# Allegro board RK_EVB7_RK3588_LP4XD200P232SD8_V11_20230111YWQ.brd (continued)
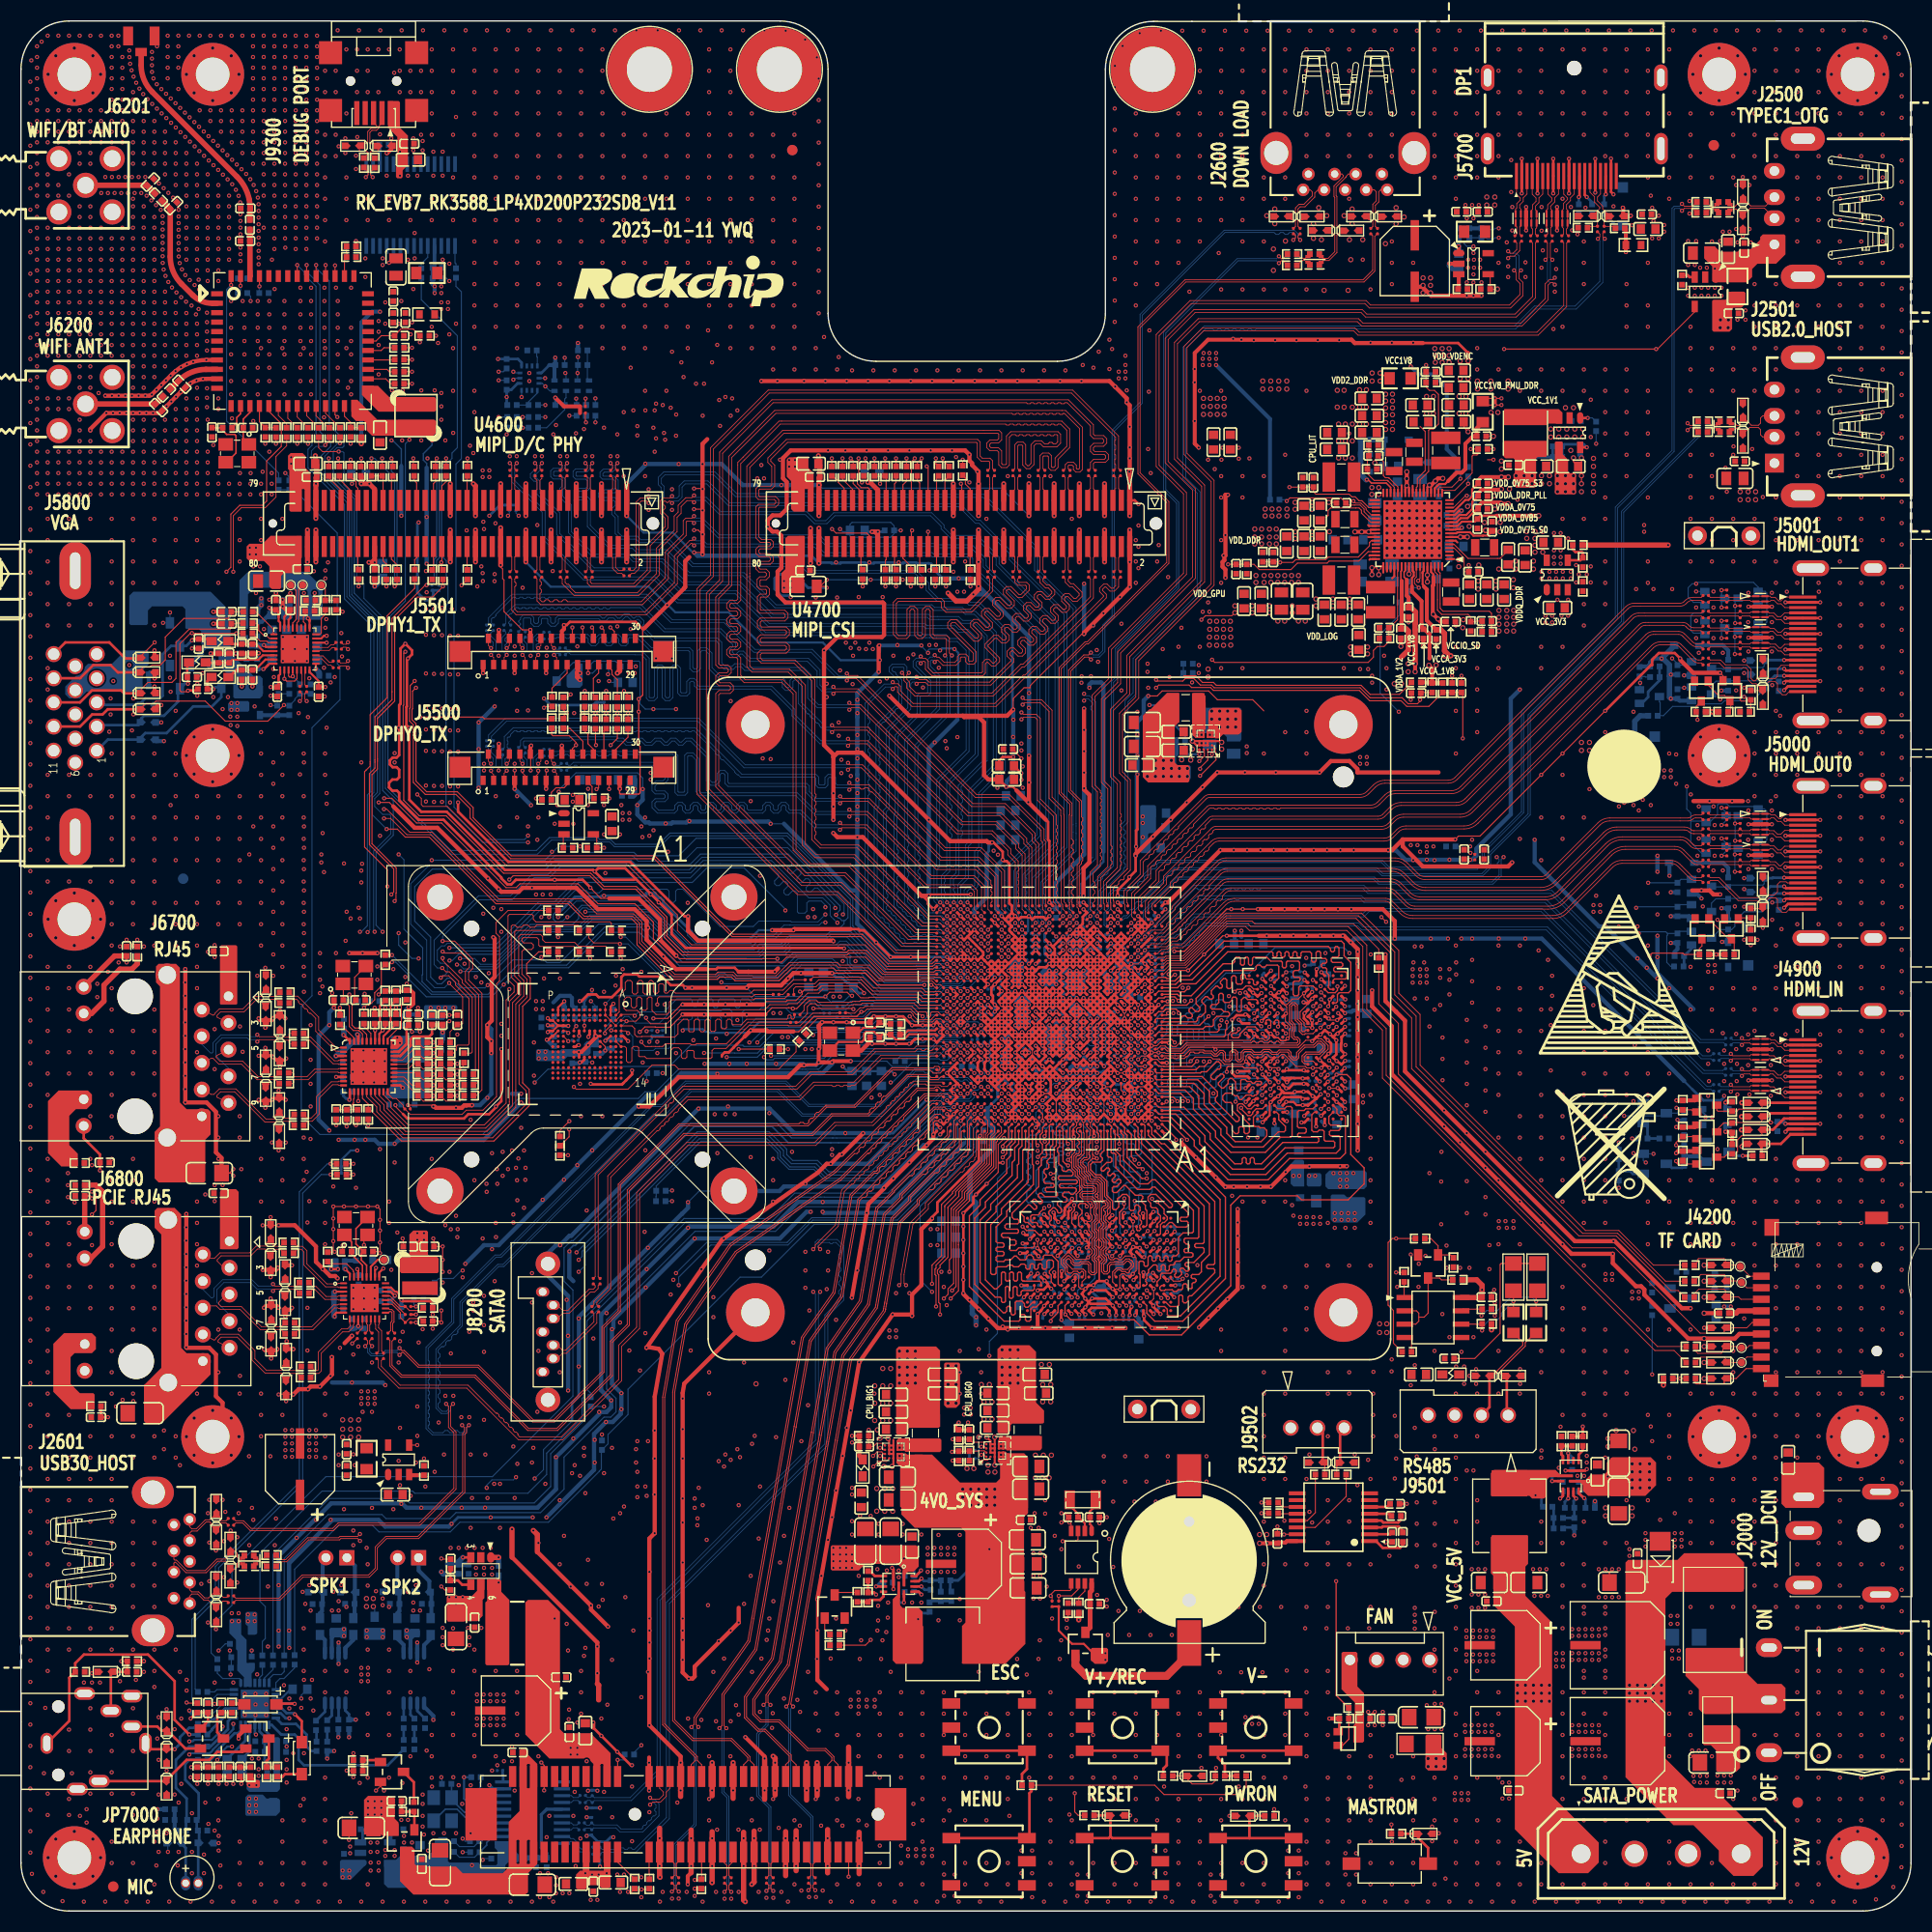
[diagram p0: board, top side]
## Routing (per net, layer and track width the routed paths; a pad name or vN(x,y) marks a point on that pad's centre or on a via; arc(x,y) is an arc through that point) (continued)
; v1(93.39,83.7) U1000.R25 ; v1(93.39,83.7) 93.44,83.65 ; 102.82,77.53 v1(102.49,77.2) 102.17,77.53 U1000.F11 ; v1(102.49,88.9) 102.82,89.23 U1000.AD10 ; v1(102.49,88.9) U1000.AC11 ; U3801.AB10 v1(95.52,58.45) ; U1000.AF16 99.24,90.2 ; U1000.AF16 v1(98.59,90.2) ; U1000.AF16 98.61,90.84 ; 99.24,90.2 U1000.AE16 ; 99.24,90.2 U1000.AE15 ; v1(95.34,90.85) 95.02,90.53 U1000.AF22 94.7,90.85 94.68,90.85 ; v1(95.34,90.85) U1000.AG21 v1(95.34,91.5) ; v1(95.34,90.85) U1000.AG22 ; v1(95.34,90.85) U1000.AF21 ; U1000.T26 v1(92.74,84.35) v1(93.39,85) ; U1000.T26 v1(92.09,83.7) ; U1000.T26 U1000.R25 ; 94.69,92.16 U1000.AH22 ; 94.69,92.16 94.37,91.84 U1000.AH23 94.68,91.52 ; U1000.AH22 95.02,91.83 v1(95.34,91.5) ; U1000.AH22 v1(95.34,92.15) ; U1000.AH22 94.71,91.52 94.68,91.52 ; v1(99.24,77.85) U1000.G15 ; v1(99.24,77.85) 98.92,77.53 U1000.F16 ; v1(99.24,77.85) U1000.F15 ; U1000.G15 99.57,78.18 v1(99.89,77.85) ; U1000.AB29 v1(90.79,87.6) ; U1000.AE9 103.47,89.88 v1(102.49,90.85) ; 94.69,77.2 94.7,77.2 U1000.E22 ; 94.69,77.2 U1000.E23 94.68,76.56 94.7,76.56 ; 94.69,77.2 U1000.F22 ; v1(101.84,75.9) U1000.C11 ; v1(101.84,75.9) 101.52,75.58 ; v1(95.99,77.2) 96.32,76.88 ; v1(86.77,65.95) 86.77,66.08 87.27,66.59 87.27,67.48 91.22,71.43 91.22,73.67 91.34,73.78 v1(91.34,73.83) ; v1(95.34,91.5) U1000.AH21 v1(95.34,92.15) ; v1(95.34,91.5) 95.02,91.18 U1000.AG22 ; U1000.AM4 107.04,94.1 ; U1000.AM4 v1(106.39,94.1) ; U1000.AM4 v1(106.39,94.75) ; 107.04,94.1 106.72,93.78 U1000.AL4 ; 106.39,93.45 U1000.AL5 106.07,93.78 v1(106.39,94.1) ; 106.39,93.45 U1000.AL4 ; U1000.F15 v1(99.89,77.85) ; U1000.F15 v1(99.24,77.2) ; U1000.AL4 v1(106.39,94.1) ; U1000.J24 93.39,79.15 ; U1000.AB20 v1(95.99,87.6) ; U1000.AB20 96.32,87.93 v1(96.64,87.6) ; U1000.AB20 v1(95.99,88.25) ; v1(95.99,87.6) U1000.AA20 ; U1000.AB19 96.97,87.93 v1(97.29,87.6) ; U1000.AB19 v1(96.64,87.6) ; U1000.U24 v1(93.39,85) ; U1000.G3 107.04,78.5 U1000.H3 ; U1000.G3 107.69,78.5 U1000.H3 ; U1000.G3 v1(107.69,77.85) U1000.F3 v1(107.69,77.2) 107.37,76.88 U1000.E3 ; 91.45,90.85 U1000.AF27 91.77,90.53 92.09,90.2 ; 91.45,90.85 91.43,90.85 U1000.AF28 v1(90.79,90.85) 90.47,90.53 ; U1000.C11 v1(101.84,75.25) 101.52,75.58 ; U3800.D4 v1(119.83,86.82) U3800.E5 ; U3800.D4 v1(119.02,87.42) ; v1(101.37,59.25) 101.36,59.24 ; v1(101.37,59.25) U3801.N9 102.11,59.58 v1(102.13,59.61) 102.14,59.61 102.51,59.98 v1(103.4,59.98) 103.4,59.82 U3801.K9 v1(103.97,59.25) 104.3,58.93 U3801.J10 ; 79.02,93.51 79.76,93.51 79.88,93.39 80.29,93.39 v1(81.44,92.24) v1(82.83,90.85) v1(84.73,90.85) v1(86.39,90.85) ; U3800.G5 v1(120.46,85.47) ; 106.39,78.5 106.07,78.18 ; 106.07,78.18 v1(106.07,78.31) ; 106.07,78.18 105.74,78.5 ; 106.07,78.18 v1(106.39,77.85) ; v1(114.83,92.88) 117.88,92.88 ; v1(102.49,93.45) 102.82,93.13 U1000.AK10 U1000.AJ9 v1(103.79,92.8) U1000.AJ8 ; v1(102.49,93.45) U1000.AL11 101.84,93.45 ; v1(102.49,93.45) 102.17,93.13 ; 105.43,84.69 v1(105.74,85) U1000.V5 ; 105.43,84.69 105.4,84.69 ; U1000.W19 v1(97.29,86.3) ; U1000.W19 v1(97.29,85.65) ; v1(97.29,86.3) U1000.W18 ; U3801.T10 v1(100.08,58.44) ; C7017.2 v1(16.79,12.11) ; 93.36,86.92 U1000.AA24 ; 93.36,86.92 93.43,86.92 U1000.Y24 ; 93.36,86.92 93.12,86.68 93.12,86.58 v1(93.39,86.3) ; U1000.AA24 v1(94.04,87.6) ; U1000.AA24 U1000.Y23 ; U1000.AE24 93.39,89.55 ; U1000.AE24 94.09,90.25 ; U1000.AE24 v1(93.39,90.2) ; 93.39,89.55 U1000.AD24 v1(94.04,88.9) U1000.AC24 ; 93.39,89.55 92.74,90.2 ; U1000.K9 103.14,79.8 ; U1000.K9 v1(103.79,79.8) ; U1000.AC3 v1(107.04,88.9) 106.72,88.58 U1000.AC4 ; v1(97.94,86.3) 98.27,86.63 U1000.Y17 ; v1(97.94,86.3) U1000.W18 ; v1(97.94,86.3) U1000.W17 v1(98.59,86.3) ; v1(96.82,59.1) 96.9,59.17 97.39,59.17 U3801.W9 ; 94.71,86.97 U1000.Y23 ; 94.71,86.97 94.67,86.97 U1000.AA23 ; 94.71,86.97 U1000.AA22 ; U1000.Y23 v1(94.04,86.3) ; 101.84,85.65 U1000.V11 102.17,85.33 102.82,85.98 ; 101.84,85.65 102.17,85.98 U1000.W11 101.52,86.63 U1000.Y12 ; 101.84,85.65 U1000.W12 ; v1(53.21,86.65) 53.37,86.65 54,87.29 54.76,87.29 55.02,87.04 56.29,87.04 57.18,87.92 57.18,88.94 57.43,89.19 58.69,89.19 58.89,89 61.06,89 61.87,88.18 63.03,88.18 v1(63.28,87.92) ; 104.1,91.17 104.13,91.17 104.44,90.85 ; 104.1,91.17 105.12,92.18 ; 94.68,91.52 U1000.AG22 ; U1000.F16 v1(99.24,77.2) ; 101.84,92.8 U1000.AJ12 ; 101.84,92.8 U1000.AK11 101.84,93.45 ; 101.84,92.8 101.52,93.13 U1000.AK12 ; U1000.AJ12 v1(101.19,92.8) ; U1000.AC4 v1(106.39,88.25) ; v1(106.39,88.25) U1000.AB5 ; U1000.AH4 107.37,92.48 U1000.AJ3 107.37,92.48 v1(107.69,92.8) ; U1000.Y16 v1(98.59,86.95) ; U1000.Y16 U1000.W15 ; U1000.Y16 98.92,86.63 v1(99.24,86.95) ; U1000.Y16 v1(98.59,86.3) ; v1(98.59,86.95) U1000.AA16 ; v1(98.59,86.95) U1000.Y17 ; U1000.T20 96.64,83.7 ; U1000.N20 95.99,82.4 ; C1101.2 78.66,84.62 v1(78.64,84.64) v1(77.37,84.64) v1(76.3,84.64) ; v1(108.45,63.16) 108.45,63.03 U3801.C5 ; v1(121.95,75.1) 122.24,75.1 U3800.AB8 ; v1(101.19,84.35) U1000.T13 100.87,84.03 v1(101.19,83.7) U1000.R13 100.87,83.38 v1(101.19,83.05) ; v1(101.19,84.35) U1000.U12 101.52,84.68 v1(101.19,85) U1000.U13 v1(101.19,84.35) ; v1(103.14,85) 103.15,85 103.47,84.69 ; v1(103.14,85) U1000.V10 ; v1(103.14,85) v1(102.49,84.35) U1000.T11 102.17,84.03 v1(102.49,83.7) U1000.R11 102.17,83.38 v1(102.49,83.05) U1000.P11 102.17,82.73 v1(102.49,82.4) U1000.N11 v1(102.49,81.75) 102.17,81.43 U1000.M11 ; v1(99.89,75.9) 99.57,75.58 U1000.C15 ; v1(99.89,75.9) U1000.C14 ; U1000.W15 99.92,86.33 ; U1000.V10 103.14,85.65 ; U1000.V10 102.17,85.98 102.49,86.3 ; U1000.J16 98.59,79.81 ; U1000.J16 98.92,79.48 v1(98.59,79.15) 98.26,79.48 ; 98.59,79.81 98.32,80.08 98.32,80.18 ; 98.59,79.81 98.26,79.48 ; v1(107.04,79.15) U1000.J3 ; v1(107.04,79.15) U1000.H3 ; U1000.J3 107.37,79.48 ; U1000.J3 107.37,79.48 v1(107.69,79.15) U1000.H3 ; U1000.AF7 105.07,90.83 ; U1000.AF7 104.44,90.85 ; U1000.AF7 105.07,90.23 105.07,90.23 ; v1(92.74,81.1) U1000.L26 92.74,80.45 ; v1(92.74,81.1) U1000.L25 93.07,80.78 92.74,80.45 ; U1000.C13 100.87,75.58 v1(101.19,75.25) U1000.C12 101.52,75.58 ; U1000.C13 v1(100.54,75.25) 100.22,75.58 ; U1000.C13 v1(100.54,75.9) 100.22,75.58 ; U1000.C15 v1(99.24,75.25) U1000.C16 ; U1000.C15 99.57,75.58 v1(99.89,75.25) U1000.C14 ; U3801.A3 109.55,64.38 v1(109.87,64.7) ; 95.34,79.15 U1000.H22 ; U1000.AB16 99.24,87.6 98.92,87.28 U1000.AA16 ; U1000.AB16 U1000.AA17 ; v1(88.19,75.9) U1000.C32 ; U1000.C32 v1(88.19,75.25) U1000.B33 v1(87.54,75.25) ; U1000.J10 102.82,79.48 v1(102.49,79.15) ; U1000.J10 103.14,79.8 ; v1(94.04,87.6) U1000.AA23 ; v1(94.04,87.6) U1000.AB24 ; U1000.AA23 v1(94.69,87.6) U1000.AA22 ; U1000.AA23 U1000.Y24 ; 97.94,79.8 U1000.J18 ; 97.94,79.8 U1000.K18 ; 97.94,79.8 98.26,79.48 ; 97.94,79.8 98.32,80.18 ; v1(149.93,163.66) J5700.16 v1(149.93,166.88) ; U1000.B27 91.77,74.93 v1(91.44,75.25) U1000.C28 v1(90.79,75.25) ; U3800.V1 v1(117.29,78.35) ; v1(96.64,77.2) 96.32,76.88 ; 96.32,76.88 U1000.E20 ; U1000.W24 v1(93.39,86.3) ; U1000.W24 v1(94.04,86.3) ; U1000.W24 94.04,85.65 ; U1000.W24 v1(93.39,85.65) ; v1(93.39,86.3) U1000.Y24 ; 102.49,86.3 102.17,86.63 U1000.Y11 ; 102.49,86.3 U1000.W10 ; 102.49,86.3 U1000.Y10 ; U1000.AE16 98.58,90.21 ; 98.58,90.21 98.27,90.52 ; v1(147.43,166.88) J5700.11 v1(147.43,163.58) ; v1(100.54,90.2) U1000.AF14 ; v1(100.54,90.2) U1000.AF13 ; U1000.N22 95.34,82.4 ; U1000.N22 v1(94.69,81.75) U1000.M22 ; U1000.N22 94.69,82.4 U1000.P22 ; 95.34,82.4 U1000.P22 ; v1(99.95,66.87) 99.95,66.82 99.75,66.62 U3801.T1 ; v1(97.28,84.35) 97.3,84.35 97.62,84.03 U1000.T18 U1000.R19 ; 96.64,89.55 U1000.AE20 96.32,89.88 v1(95.99,89.55) ; U3801.T5 v1(100.12,63.15) ; 101.83,88.26 102.15,88.58 U1000.AC11 ; U1000.J20 96.32,79.48 96.65,79.14 ; U1000.J20 96.02,79.78 ; v1(107.04,83.05) U1000.R3 ; U1000.R3 107.37,83.38 v1(107.69,83.7) 107.37,84.03 U1000.T3 107.37,84.03 v1(107.69,84.35) 107.37,84.68 U1000.U3 ; v1(101.84,90.2) 101.84,90.22 101.53,90.53 ; v1(101.84,90.2) 101.86,90.19 101.87,90.19 ; v1(103.79,83.7) U1000.T9 103.8,84.36 ; v1(103.79,83.7) U1000.R8 ; v1(103.79,83.7) 103.47,83.38 U1000.R9 v1(103.79,83.05) ; v1(102.49,87.6) U1000.AA11 ; 107.37,79.48 v1(107.04,79.8) ; U1000.AE7 104.77,89.88 v1(104.44,89.55) 104.12,89.23 U1000.AD8 104.13,89.23 104.42,88.94 104.42,88.88 U1000.AC8 104.44,88.25 v1(104.44,88.25) ; U1000.AE7 105.07,90.18 105.07,90.23 ; v1(101.84,79.15) U1000.J11 102.17,79.48 v1(102.49,79.15) ; v1(101.84,79.15) U1000.H12 ; U1000.E22 94.7,76.56 ; U1000.E22 v1(95.34,76.55) ; U1000.AG22 94.68,90.85 ; U1000.C3 107.37,75.58 v1(107.69,75.25) ; 92.74,80.45 92.99,80.21 92.99,80.21 ; 92.74,80.45 U1000.K26 v1(92.74,79.8) ; 100.8,93.2 v1(100.54,93.45) ; 100.8,93.2 v1(101.19,92.8) ; v1(100.54,93.45) U1000.AK14 ; v1(100.54,93.45) U1000.AL13 ; U1000.AG10 103.15,90.85 ; U1000.AG10 102.82,91.16 102.51,90.85 v1(102.49,90.85) ; v1(98.33,66.52) 98.43,66.42 98.43,65.99 U3801.V1 98.78,65.63 v1(98.78,65.62) ; U1000.AC24 93.72,88.58 93.39,88.25 U1000.AB24 ; U1000.AC24 v1(94.04,88.25) U1000.AB24 ; 96.02,79.78 U1000.K21 ; U1000.C17 98.58,75.27 98.61,75.27 U1000.C16 ; U1000.C17 98.27,75.58 98.59,75.9 U1000.C16 ; 103.12,86.93 U1000.Y10 ; U1000.Y10 102.17,87.28 U1000.AA11 ; U4700.1 106.07,134.35 v1(106.43,133.99) ; U1000.Y11 102.17,86.63 v1(101.84,86.95) ; U1000.Y11 102.82,87.28 ; U1000.Y11 U1000.W12 ; U1000.P22 v1(94.69,83.05) ; U3801.D11 107.84,57.69 v1(107.84,57.64) 107.84,57.54 U3801.C12 v1(108.52,56.85) ; 98.32,80.18 97.99,80.51 U1000.K18 ; U3801.P1 101.05,65.94 v1(101.39,65.59) 101.7,65.29 U3801.N2 ; v1(82.96,32.68) 82.96,32.68 83.09,32.54 U2000.2 v1(83.09,30.66) ; 103.47,84.69 103.8,84.36 ; 103.47,84.69 104.11,85.33 U1000.V8 ; v1(118.97,80.2) U3800.P3 v1(119,80.91) U3800.N4 ; U3801.T12 v1(100.05,56.88) ; 105.74,87.6 105.74,87.61 U1000.AB6 105.75,88.26 ; 105.74,87.6 U1000.AB5 ; 105.74,87.6 U1000.AA6 ; 98.27,90.52 v1(97.94,90.85) ; v1(97.94,90.85) U1000.AG18 ; v1(97.94,90.85) 98.32,91.23 98.45,91.23 ; C7016.2 20.98,12.67 v1(20.98,12.11) ; U1000.AM8 v1(103.79,94.75) U1000.AM9 ; U1000.AF14 U1000.AE15 ; U1000.AF14 v1(100.54,90.85) U1000.AF13 ; v1(105.91,65.67) U3801.G1 ; v1(168.05,103.91) J5000.2 v1(171.35,103.91) ; U1000.AB5 105.75,88.25 105.75,88.26 ; v1(171.35,99.41) J5000.11 v1(168.05,99.41) ; 105.8,86.89 105.68,86.89 U1000.Y6 ; 105.8,86.89 U1000.Y5 ; 105.8,86.89 U1000.AA6 ; U3800.P10 v1(123.7,81.02) 123.63,81.02 U3800.N9 ; U3800.P10 v1(123.83,80.29) ; U3800.P10 v1(124.61,80.3) ; U1000.K6 105.42,80.13 ; U1000.K6 105.42,80.13 ; 105.42,80.13 v1(105.74,80.45) U1000.L6 v1(105.09,81.1) 105.42,81.43 U1000.M6 v1(105.74,81.75) U1000.N6 105.42,82.08 v1(105.74,82.4) U1000.P6 ; U3801.W9 97.8,59.73 v1(97.49,60.04) U3801.Y8 ; U3801.W9 97.8,59.58 v1(98.11,59.26) ; U1000.AA8 103.83,86.99 ; U1000.AA8 104.12,87.28 v1(104.44,87.6) ; 95.34,80.45 U1000.L21 ; 95.34,80.45 U1000.K21 ; 95.34,80.45 U1000.L22 ; U1000.L21 v1(95.99,80.45) ; U1000.L21 95.34,81.1 ; v1(98.71,63.15) 98.7,63.15 98.45,62.89 U3801.V5 ; U1000.AC27 v1(92.09,88.9) U1000.AD26 ; U1000.AC27 v1(91.44,88.9) ; U1000.AC27 v1(92.09,88.25) U1000.AB27 ; U1000.V24 v1(93.39,85) ; U1000.V24 v1(93.39,85.65) ; U1000.V24 94.04,85.65 ; v1(93.39,85) U1000.V25 ; v1(78.38,91.67) 78.34,91.71 63.29,91.71 61.97,93.04 61.97,94.88 58.51,98.34 ; 92.09,90.2 92.35,90.46 92.48,90.46 92.74,90.2 ; v1(109.11,80.78) U1000.L1 ; U1000.R25 U1000.P26 92.42,82.73 v1(92.74,82.4) ; v1(107.69,90.85) U1000.AG3 U1000.AF4 106.72,90.53 v1(107.04,90.2) U1000.AE3 v1(107.04,89.55) ; U1000.AA18 97.62,87.28 v1(97.94,86.95) ; U1000.AA18 v1(97.29,87.6) ; U1000.AA18 97.94,87.6 ; v1(150.88,114.3) 155.23,118.66 155.35,118.66 155.35,119.17 155.98,119.8 157.51,119.8 v1(158.01,119.29) 158.01,119.17 ; v1(98.07,63.92) 98.07,63.85 U3801.W4 ; v1(54.64,99) 54.49,99.15 46.08,99.15 40.54,104.69 38.13,104.69 36.98,105.83 v1(36.98,112.69) 36.95,112.69 36.7,112.94 36.7,114.66 36.76,114.72 36.76,119.2 v1(36.86,119.29) 37.24,119.67 37.24,120.06 v1(36.6,120.69) 36.15,120.23 36.15,114.98 36.02,114.85 36.02,110.09 35.77,109.84 35.4,109.84 35.13,109.58 35.13,109.2 35.4,108.93 35.77,108.93 36.02,108.69 36.02,107.97 35.81,107.76 35.37,107.76 35.06,107.45 35.06,107.01 35.37,106.7 35.81,106.7 36.02,106.49 36.02,105.78 37.87,103.93 40.24,103.93 45.75,98.42 45.75,98.35 46.32,97.77 46.7,97.77 47.13,98.21 v1(50.83,98.21) 53.49,98.21 54.25,97.45 v1(54.22,97.45) ; v1(54.64,99) 55.43,98.21 58.38,98.21 58.51,98.34 ; v1(54.64,99) 54.66,99 54.96,99.3 57.54,99.3 58.51,98.34 ; U1000.V4 v1(106.39,85.65) U1000.V5 ; U1000.V4 v1(106.39,85) U1000.V5 ; U1000.V4 v1(107.04,85.65) ; U1000.V4 107.04,85.01 ; 102.82,85.98 103.14,85.65 ; U1000.V3 107.05,85.01 107.04,85.01 ; U1000.V3 107.59,85.1 107.59,84.91 U1000.U3 ; U1000.V3 v1(107.69,85.65) ; U1000.V3 v1(107.04,85.65) ; U1000.AL13 101.12,94.03 101.12,94.68 U1000.AN12 v1(101.19,95.4) ; 92.73,78.52 92.76,78.52 U1000.H25 ; 92.73,78.52 U1000.G25 ; 94.09,90.25 93.99,90.25 U1000.AF24 v1(93.39,90.2) ; 94.09,90.25 94.68,90.85 ; U1000.W18 v1(97.29,85.65) ; U1000.AF31 v1(88.84,90.85) 88.52,90.53 U1000.AF32 v1(88.19,90.85) ; v1(105.74,75.25) U1000.C6 105.42,75.58 ; U1000.C7 104.77,75.58 105.18,75.99 ; U1000.C7 105.09,75.25 ; U1000.AK14 v1(99.91,92.82) 99.57,92.48 U1000.AJ15 v1(99.24,92.8) U1000.AJ16 98.28,91.84 98.28,91.82 ; 104.47,92.83 U1000.AK7 105.1,92.8 ; 104.47,92.83 U1000.AJ8 ; 104.47,92.83 104.47,92.78 U1000.AJ7 ; U1000.AK28 91.12,93.13 v1(90.79,93.45) U1000.AK29 ; v1(125.44,85.5) 125.44,85.5 U3800.G12 v1(125.35,84.85) ; U1000.AK12 101.52,93.13 101.84,93.45 ; U1000.AK12 v1(101.19,92.8) ; v1(167.92,96.25) 168.08,96.41 J5000.17 171.35,96.41 v1(171.35,96.41) ; U1000.H25 93.39,79.15 ; v1(102.49,81.1) U1000.M11 ; U1000.M11 v1(101.84,81.1) ; U1000.M32 v1(88.19,81.75) U1000.N32 ; U1000.H12 v1(101.84,78.5) ; U1000.U3 107.37,84.68 107.04,85.01 ; 94.66,79.18 U1000.H22 ; U1000.P25 93.07,82.73 v1(93.39,82.4) U1000.N25 ; U1000.P25 v1(92.74,82.4) ; v1(97.29,87.6) U1000.AB18 97.94,87.6 ; U1000.K8 v1(104.44,79.8) ; U1000.K8 v1(103.79,79.8) ; 89.17,95.08 v1(89.49,94.75) 89.82,94.43 ; U1000.AF13 100.87,90.53 101.19,90.85 ; v1(89.49,90.85) U1000.AF30 89.82,90.53 v1(90.14,90.85) ; v1(89.49,90.85) 89.17,90.53 ; v1(171.35,79.47) J4900.8 v1(168.05,79.47) ; 105.18,75.99 105.18,75.81 105.42,75.58 ; 105.18,75.99 105.18,76.46 v1(105.09,76.55) 105.42,76.88 ; v1(50.07,82.98) 50.23,82.98 50.56,83.32 U4000.P6 ; v1(116.68,80.91) U3800.P1 ; 66.75,81.38 66.75,81.51 67.02,81.77 67.41,81.77 67.9,82.26 67.9,82.27 68.16,82.54 68.17,82.54 68.91,83.28 ; 97.3,85.01 U1000.V18 v1(97.29,85.65) ; U1000.AA6 105.07,86.93 105.37,86.63 U1000.Y6 ; U1000.N25 93.07,82.08 v1(92.74,82.4) ; v1(104.44,87.6) 104.77,87.92 U1000.AB7 104.45,88.25 v1(104.44,88.25) ; v1(104.44,87.6) 104.44,87.6 U1000.AB8 104.44,88.25 v1(104.44,88.25) ; U3801.V8 98.45,60.77 v1(98.4,60.82) ; U1000.AE21 v1(95.99,89.55) ; U1000.R19 96.64,83.7 ; U3801.E5 106.55,63.13 v1(106.55,63.15) 105.92,63.24 v1(105.92,63.24) 105.92,63.21 U3801.G5 105.95,62.43 v1(105.95,62.38) ; v1(97.94,86.95) U1000.AA17 ; v1(97.94,86.95) U1000.Y17 ; U3800.Y1 117.29,77.05 117.3,77.05 v1(117.37,77.13) 117.62,77.38 U3800.W2 ; U1000.AA20 v1(96.64,87.6) ; U3801.T3 99.36,64 v1(99.36,63.97) ; v1(54.04,83.25) 54.04,83.37 54.15,83.49 U4000.G5 ; v1(93.39,90.2) U1000.AF25 92.74,90.2 ; U1000.D24 v1(94.04,75.9) ; U1000.V8 103.79,85.65 ; U1000.C14 100.22,75.58 ; U3800.E12 v1(126.08,86.17) ; U1000.Y5 v1(106.39,86.3) ; v1(126.11,80.97) U3800.P12 v1(125.29,80.95) U3800.N11 125.27,81.58 v1(125.27,82.93) 125.26,82.98 U3800.K11 ; 98.61,90.84 98.45,91 98.45,91.23 ; U1000.L22 v1(94.69,81.1) 95.02,81.43 U1000.M22 ; U1000.L22 95.34,81.1 ; U3800.AB10 v1(124.17,74.84) ; v1(109.32,82.66) 109.25,82.73 108.67,82.73 U1000.P1 ; v1(105.09,77.2) 105.42,76.88 ; v1(105.09,77.2) 104.77,77.53 U1000.F7 ; v1(94.04,86.3) 94.37,85.98 U1000.W23 94.04,85.65 ; v1(94.04,86.3) U1000.Y24 ; v1(90.14,81.1) 90.47,81.43 U1000.M29 90.47,81.43 v1(90.79,81.75) 90.47,82.08 U1000.N29 ; v1(124.55,84.99) 124.43,84.99 124.24,85.18 U3800.G10 ; U3801.G8 v1(105.89,60.67) ; U1000.W3 v1(107.04,85.65) ; U1000.W3 v1(107.69,85.65) ; 98.28,91.82 98.45,91.65 98.45,91.23 ; 98.28,91.82 v1(97.94,92.15) U1000.AJ18 ; v1(94.69,83.05) U1000.R23 ; 97.94,87.6 U1000.AA17 ; 97.94,87.6 98.27,87.93 U1000.AB17 v1(98.59,87.6) U1000.AA16 ; U1000.AK29 v1(90.14,93.45) ; v1(99.24,86.95) U1000.AA16 ; v1(147.1,41.94) U2100.2 148.99,41.94 v1(149.12,42.08) ; v1(53.22,80.82) 53.37,80.82 53.65,81.1 U4000.H10 ; U3801.E1 106.9,66.39 v1(106.85,66.43) ; v1(103.79,82.4) U1000.P9 103.47,82.73 v1(103.79,83.05) ; v1(92.74,79.8) 92.99,80.05 92.99,80.21 ; v1(122.97,84.1) 122.96,84.11 122.96,84.81 v1(122.96,84.81) 122.96,84.83 122.61,85.18 U3800.G8 122.97,85.58 122.97,85.6 v1(122.97,85.6) ; U1000.AF12 101.19,90.85 ; U1000.AF12 101.53,90.53 ; U1000.R23 94.04,83.71 ; U1000.R23 v1(94.69,83.7) ; U1000.AP34 v1(86.89,95.4) 86.38,95.92 86.38,96.19 85.88,96.69 ; 101.19,90.85 U1000.AG12 ; v1(126.09,84.2) U3800.J12 125.41,83.63 v1(125.39,83.55) 125.29,83.55 U3800.K11 ; 103.47,79.48 103.14,79.8 ; 103.47,79.48 v1(103.79,79.8) ; 103.47,79.48 104.11,78.83 103.78,78.5 ; U1000.G6 105.74,78.5 ; U3800.V5 120.31,77.89 121.18,77.89 v1(121.31,78.02) 121.32,78.01 v1(122.15,78.03) U3800.V8 v1(123.02,77.61) 123.04,77.58 123.16,77.58 U3800.W9 ; U3800.V5 v1(119.73,77.59) U3800.W4 v1(119.02,77.03) ; U3800.V5 v1(119.79,78.4) ; U4000.J5 53.15,83.37 53.16,83.37 v1(53.16,83.35) ; v1(95.45,64.58) 95.65,64.38 U3801.AB3 ; 105.12,92.18 105.07,92.18 U1000.AJ7 ; C1034.2 93.17,107.73 v1(93.84,107.06) ; v1(110.54,73.45) 110.54,73.12 ; v1(93.39,85.65) 93.07,85.33 U1000.V25 ; v1(96.8,63.13) U3801.Y5 ; U3800.G3 v1(118.9,85.51) ; v1(98.59,86.3) U1000.W16 ; v1(98.59,86.3) U1000.Y17 ; U1000.AJ7 105.08,92.8 105.1,92.8 ; v1(118.14,87.42) U3800.D2 v1(117.34,87.45) 117.29,87.45 U3800.C1 ; U3800.W9 v1(123.78,77.79) ; U3800.W9 U3800.Y8 122.55,76.75 v1(122.07,76.75) ; v1(75.84,29.69) v1(75.84,26.71) ; U3800.K11 124.68,83.52 v1(124.67,83.52) 124.67,83.54 U3800.J10 v1(123.76,83.47) 123.74,83.47 U3800.K9 122.98,82.84 v1(122.96,82.84) ; U1000.R8 v1(103.79,83.05) ; v1(101.84,86.95) U1000.AA11 ; v1(101.84,86.95) U1000.Y12 ; v1(74.57,80.56) 74.84,80.56 74.88,80.6 75.74,80.6 v1(75.97,80.83) ; U1000.A14 100.22,73.83 100.28,73.77 v1(100.28,73.75) ; U3801.V12 98.13,56.86 v1(98.13,56.85) ; v1(90.14,90.85) U1000.AF29 ; C5830.2 v1(16.28,120.24) ; v1(118.24,79.66) U3800.T3 118.94,78.95 118.94,78.93 v1(118.95,78.93) ; v1(57.82,82.85) 57.34,83.32 U4000.A6 ; U3800.V12 125.42,78.38 v1(125.39,78.38) ; v1(95.15,62.65) 95.72,62.65 U3801.AB5 ; v1(171.35,124.64) J5001.2 v1(168.05,124.64) ; v1(81.23,85.2) v1(82.32,85.2) v1(83.34,85.2) 84.01,85.2 v1(84.86,84.35) v1(85.88,84.35) v1(86.89,84.35) U1000.U34 v1(87.54,84.35) 87.87,84.03 U1000.T33 v1(87.54,83.7) U1000.R33 U1000.P34 v1(86.89,83.05) v1(85.88,83.05) 85.2,83.05 85.14,83 85.07,83 84.84,82.76 84.84,82.69 84.73,82.59 v1(84.59,82.59) v1(83.34,82.59) v1(82.32,82.59) ; U1000.T23 v1(94.69,83.7) ; v1(171.35,100.91) J5000.8 v1(168.05,100.91) ; U3800.J1 117.12,83.88 v1(117.44,83.55) U3800.K2 ; v1(104.44,95.4) U1000.AN7 ; v1(171.35,82.47) J4900.2 v1(168.05,82.47) ; U3800.E1 117.25,86.2 v1(117.3,86.2) ; 105.09,75.25 105.42,75.58 ; v1(118.25,75.11) U3800.AB3 ; v1(104.65,64.03) U3801.J3 ; R6723.2 v1(39.27,82.72) ; U1000.M22 95.34,81.1 ; v1(96.19,60.72) U3801.AB8 ; U3801.E8 v1(106.9,60.82) ; U3801.W2 v1(97.47,65.5) 97.15,65.83 U3801.Y1 ; U3800.W11 v1(125.29,77.05) U3800.Y12 v1(126.09,76.4) ; U3800.Y5 v1(120.49,77.06) ; U2100.10 v1(147.35,39.29) ; U3800.C12 v1(126.09,88.1) ; U3800.C8 v1(122.19,87.4) ; C9517.1 v1(131.98,38.78) ; U3801.J1 104.3,65.96 v1(103.93,65.59) 103.65,65.31 U3801.K2 ; U1000.A34 v1(86.89,73.95) ; v1(115.34,79.92) 115.34,79.8 115.65,79.49 116.8,79.49 U3800.T1 ; U1000.Y12 101.25,86.36 ; R7014.2 v1(17.81,12.11) ; U1000.A11 102.17,73.86 v1(102.21,73.82) ; U1000.AM24 v1(93.39,94.75) ; C9515.1 v2(129.95,35.15) ; v1(126.09,79) U3800.T12 ; v1(105.87,64.68) 105.87,64.65 U3801.G3 ; v1(142.93,163.58) J5700.2 v1(142.93,166.88) ; U3800.T10 v1(124.45,79.62) ; U1000.A1 v1(108.99,73.95) ; v1(171.35,120.14) J5001.11 v1(168.05,120.14) ; U3801.G10 v1(105.29,58.47) ; v1(58.19,13.88) 58.08,13.88 54.5,17.46 ; U3801.T8 v1(99.35,59.98) ; 68.35,89.45 67.97,89.83 66.35,89.83 66.22,89.7 65.36,89.7 ; U3800.D11 v1(124.64,86.8) ; U3801.A10 v1(109.82,58.45) ; v1(45.75,82.08) 45.75,77.13 v1(45.24,76.62) 45.24,76.55 44.58,75.88 42.59,75.88 42.19,75.48 36.8,75.48 36.37,75.91
  TOP w0.305: v1(166.75,103.49) ED5000.8 ED5000.3 v1(164.52,103.49) ; v1(146.29,162.29) U5701.8 U5701.3 v1(146.29,160.05) ; v1(25.26,81.19) 25.09,81.03 ED6703.2 ; ED6703.2 24.32,81.03 v1(24.03,81.32) 23.89,81.46 ED6704.2 ; ED6703.2 24.64,80.46 v1(24.66,80.43) ; ED6706.2 25.07,77.4 v1(25.21,77.26) ; ED6706.2 24.04,77.4 v1(23.9,77.26) 23.81,77.17 ED6705.2 ; ED6706.2 24.54,77.45 v1(24.54,78.15) ; ED6705.2 22.72,77.17 v1(22.63,77.26) ; ED6705.2 23.32,76.55 v1(23.27,76.49) ; v1(166.75,79.11) ED4900.3 ED4900.8 v1(164.52,79.11) ; v1(166.75,82.06) ED4905.3 ED4905.8 v1(164.52,82.06) ; v1(143.34,160.05) U5700.3 U5700.8 v1(143.34,162.29) ; ED6704.2 22.64,81.46 v1(22.63,81.45) ; ED6704.2 23.32,82.16 v1(23.27,82.21) ; v1(24.66,85.77) 24.66,85.24 ED6702.2 ; v1(164.52,121.27) ED5008.3 ED5008.8 v1(166.75,121.27) ; v1(166.75,124.22) ED5007.8 ED5007.3 v1(164.52,124.22) ; v1(166.75,100.55) ED5001.8 ED5001.3 v1(164.52,100.55) ; 92.42,79.48 92.74,79.15
  TOP w0.381: v1(23.01,61.06) ED6801.2 ; ED6801.2 24.27,61.06 v1(24.46,61.25) ; ED6801.2 v1(23.77,60.37) ; ED6804.2 23.33,57.64 v1(23.14,57.44) ; ED6804.2 24.35,57.64 v1(24.54,57.44) ; ED6804.2 23.77,57.69 v1(23.77,58.33) ; ED6701.2 23.86,84.84 v1(24.03,85) 24.24,85.22 ED6702.2 24.96,85.22 v1(25.17,85) ; ED6701.2 22.8,84.84 v1(22.63,85) ; ED6701.2 23.32,84.17 v1(23.27,84.11) ; D5802.2 13.09,114.85 v1(13.36,114.85) ; C2253.2 v2(133.55,120.44) ; C1102.2 80.86,82.79 v1(81.05,82.59) ; R6730.2 v1(39.27,78.65) ; C6701.2 v1(29.8,86.02) ; J5501.16 51.51,121.88 51.71,122.09 v1(51.71,122.47) ; J5501.13 v1(50.01,117.9) ; v1(23.83,52.62) ED6805.2 ; ED6805.2 23.25,53.39 v1(23.14,53.51) ; ED6805.2 24.3,53.39 v1(24.41,53.51) ; v1(25.17,56.63) 25.17,57.23 ED6803.2 25.62,57.25 v1(25.81,57.44) ; J5500.16 v1(51.51,110.99) ; v1(24.28,125.52) C5804.2 ; v1(112.17,139.37) 111.79,139.75 v1(111.79,141.9) v1(111.79,145.58) v1(111.79,146.85) 111.79,148.38 113.05,149.65 v1(116.23,149.65) ; v1(34.82,167.43) 34.89,167.43 35.27,167.81 ED9301.2 ; J5500.13 v1(50.01,106.87) ; J5500.10 48.51,110.91 v1(48.59,110.99) ; D5801.2 v1(12.71,120.06) ; C5821.2 v1(22.05,116.63) ; v1(75.97,80.83) v1(75.97,82.1) 76.04,82.17 76.04,84.02 75.97,84.09 ; R6724.2 v1(39.27,81.7) ; v1(57.04,106.87) 57.01,106.9 J5500.27 ; 59.82,14.62 v1(59.82,14.13) U8100.A12 v1(59.82,11.48) ; C5823.2 v1(18.31,122.6) ; C5824.2 v1(18.31,123.74) ; D4205.2 v2(160.3,58.46) ; R6714.2 v1(35.71,86.02) ; J5501.4 v1(45.51,122.01) ; ED6802.2 v1(25.81,61.5) ; D4201.2 v2(160.3,50.71) ; R6729.2 v1(39.27,79.67) ; v1(68.99,16.55) 70.82,14.72 v1(70.82,14.52) ; v1(12.73,117.39) 12.74,117.4 12.74,117.94 D5807.2 ; 76.48,80.83 v1(77.24,80.83) 77.35,80.94 v1(79.02,80.94) ; D4204.2 v1(160.3,55.54) ; 96.8,55.51 96.82,55.54 v1(96.82,56.85) ; J5500.7 v1(47.01,106.87) ; v1(45.51,111.17) J5500.4 ; v1(63.5,2.54) 63.5,3.32 63.82,3.64 ; v1(30.38,86.02) R6719.2 ; J5501.10 v1(48.51,122.01) ; C5814.2 v1(25.65,125.52) ; v1(163.86,72.81) 164.11,73.07 ED4904.2 ; v1(25.93,53.51) 25.92,53.52 ED6806.2 25.3,53.57 v1(25.3,54.27) ; v1(12.71,116.61) D5805.2 ; D4207.2 v2(160.3,61.51) ; D4206.2 v2(160.3,59.98) ; J5501.1 v1(44.01,117.9) ; v1(18.06,119.77) R5815.2 C5825.2 19.85,119.76 v1(20.47,119.76) R5816.2 C5829.2 22.05,119.76 22.59,119.76 v1(22.63,119.8) ; R5813.2 v1(21.03,116.63) ; J5501.7 v1(47.01,117.9) ; R6716.2 v1(33.68,86.02) ; R6725.2 v1(39.27,80.69) ; C2255.2 v2(131.42,120.44) ; v1(152.55,162.22) 152.59,162.18 ED5700.2 153.28,161.42 v1(153.31,161.46) ; R6718.2 v1(34.7,86.02) ; U2600.2 v1(136.04,156.89) ; C4606.2 v1(33.68,126.15) ; D4203.2 v2(160.3,53.76) ; D4202.2 v2(160.3,52.24) ; R6721.2 v1(39.27,77.64)
  TOP w0.406: v1(42.95,76.75) 42.94,76.73 42.43,76.73 42.42,76.73 42.22,76.73 41.98,76.49 v1(41.43,76.49) 39.51,76.49 39.38,76.62 v1(39.27,76.62) ; 158.01,119.17 159.26,117.92 v1(161.82,117.92) ; v1(139.09,153.84) v1(138.33,153.84) v1(137.69,153.84) 134.3,153.84 133.45,154.69 C2603.2 ; v1(129.95,91.1) 129.95,86.65 130.96,85.64 131.81,84.79 131.81,79.96 v1(137.69,74.08) 147.98,63.79 v1(151.66,63.79) 151.79,63.79 158.18,57.4 v1(159,57.4) ; v1(6.6,141.01) 6.6,141.14 v1(8.13,142.66) v1(8.77,142.66) v1(9.4,142.66) v1(10.04,142.66) v1(10.67,142.66) v1(11.31,142.66) v1(11.94,142.66) v1(12.58,142.66) 13.21,142.66 C6202.2 v1(13.87,143.32) v1(14.32,143.77) v1(14.76,144.22) v1(15.21,144.66) C6201.2 arc(16.56,145.71) 17.63,145.92 U6200.10 ; J4200.6 163.65,54.96 163.22,54.52 v2(160.3,54.52) 158.78,54.52 154.61,58.69 154.61,59.19 154.3,59.5 153.8,59.5 151.6,61.7 v1(151.6,62.59) 147.66,62.59 130.56,79.7 130.56,84.27 128.68,86.15 v1(128.68,87.67) ; v1(44.79,81.71) v1(44.79,82.85) 44.41,83.23 v1(44.41,84.37) 44.83,84.79 44.83,88.69 45.11,88.97 45.11,92.6 v1(44.98,92.73) ; v1(101.19,96.7) 101.19,99.31 101.75,99.87 101.75,106.3 101.26,106.79 101.26,106.92 v1(101.24,106.92) v1(101.24,108.42) v1(101.24,110.45) v1(101.24,112.48) v1(101.24,114.52) ; 117.88,92.88 v1(118.64,92.88) v1(119.91,92.88) v1(121.18,92.88) v1(122.45,92.88) v1(123.72,92.88) v1(124.99,92.88) v1(125.88,92.88) 126.01,92.88 v1(126.64,92.24) 126.67,92.24 127.3,91.61 v1(127.3,91.35) v1(127.3,90.21) v1(127.3,88.94) v1(127.3,87.67) v1(127.3,86.4) v1(127.3,85.13) v1(127.3,83.86) v1(127.3,82.59) v1(127.3,81.32) v1(127.3,80.05) v1(127.3,76.24) v1(127.3,74.97) v1(127.3,73.7) v1(127.3,72.43) ; v1(115.87,66.84) v1(115.87,65.57) v1(115.87,64.3) v1(115.87,63.03) v1(115.87,61.76) v1(115.87,60.49) 115.87,59.22 114.92,58.27 v1(114.9,58.27) v1(114,57.37) v1(113.1,56.47) v1(112.2,55.58) ; v1(31.27,91.23) v1(32.54,91.23) v1(33.93,91.23) ; v1(95.93,105.6) 96,105.67 v1(96,107.47) v1(96,110.02) ; v1(95.93,105.6) 94.81,106.72 ; v1(95.93,105.6) 97.6,103.93 ; v1(15.74,66.38) v1(15.74,65.11) v1(15.74,63.84) v1(15.74,62.57) v1(15.74,61.3) v1(15.74,60.03) v1(15.74,58.76) v1(15.74,57.49) v1(15.74,56.22) v1(15.74,54.95) v1(15.74,53.68) 15.79,53.63 17.93,53.63 18.57,53 18.57,49.03 19.2,48.4 19.2,46.12 H9906.1 ; v1(114.71,126.98) 114.71,127.76 114.43,128.03 114.43,128.47 114.61,128.65 114.61,129.09 ; v1(63.28,87.92) v1(63.91,87.92) v1(67.21,87.92) v1(69.11,87.92) 69.34,88.15 72.39,88.15 v1(73.05,88.81) 73.56,89.32 v1(74.28,89.32) v1(77.24,89.32) ; v1(80.2,74.08) v1(78.17,72.05) 78,72.05 v1(77.11,71.16) 76.73,71.16 75.89,70.32 66.77,63.93 v1(59.57,53.64) 59.68,53.72 60.74,53.53 61.07,53.06 60.35,48.97 v1(60.35,45.76) v1(60.35,43.09) v1(60.35,39.66) v1(60.35,35.98) 59.84,35.47 v1(59.84,32.3) v1(59.84,17.69) 62.82,14.72 v1(62.82,14.13) ; 76.73,21.12 75.84,22.01 v1(75.84,26.71) ; 68.91,83.28 v1(69.49,83.86) 71.02,83.86 71.12,83.76 73.56,83.76 ; 49.17,34.2 v1(54.29,29.09) 54.29,28.7 v1(55.9,27.09) ; v1(92.48,101.77) 92.1,101.77 91.97,101.89 88.49,101.89 v1(86.46,103.93) 80.07,110.31 77.77,110.31 77.37,109.91 ; U6200.8 17.7,147.72 arc(15.9,147.36) 14.38,146.34 12.43,144.4 arc(12.33,144.34) 12.22,144.31 v1(11.84,144.31) v1(11.2,144.31) v1(10.57,144.31) v1(9.93,144.31) v1(9.3,144.31) v1(8.66,144.31) v1(8.03,144.31) ; v1(126.26,70.93) v1(125.63,70.93) 122.73,70.93 v1(122.71,70.91) 120.98,70.91 v1(120.45,70.37) 119.06,68.98 v1(119.02,68.98) v1(118.04,68.98) v1(116.77,68.98) v1(115.5,68.98) 114.72,68.98 v1(114.7,68.96) v1(113.79,69.86) v1(111.89,71.77) 110.54,73.12 ; v1(110.26,55.51) v1(108.99,55.51) v1(107.72,55.51) ; 75.97,84.09 75.97,84.32 v1(76.3,84.64) ; 30.82,54.08 31.52,54.78 v1(31.52,54.78) ; v1(58.83,76.62) 59.84,76.62 62.64,79.42 73.05,79.42 74.19,80.56 v1(74.57,80.56) ; 159.28,105.7 v1(160.81,105.7) v1(162.97,105.7) 163.98,105.7 ; v1(86.89,73.95) 86.89,73.57 v1(86.26,72.94) v1(84.61,71.29) v1(83.08,69.76) v1(82.19,68.87) 82.19,68.82 80.7,67.33 80.56,66.49 v1(80.54,66.49) 80.55,66.47 80.54,66.43 80.54,66.43 v1(79.13,58.42) ; v1(108.99,96.05) 109.25,96.05 v1(114.23,101.04) v1(115.5,101.04) v1(116.77,101.04) v1(118.04,101.04) v1(119.31,101.04) v1(120.58,101.04) v1(121.85,101.04) v1(123.12,101.04) v1(124.39,101.04) v1(125.66,101.04) v1(126.93,101.04) v1(130.2,101.04) 130.58,101.04 131.6,102.05 ; 89.7,113.83 89.01,113.83 84.61,113.83 v1(82.7,115.74) ; 89.7,113.83 93.91,113.83 v1(94.49,114.42) ; 89.7,113.83 89.83,113.71 91.21,113.71 91.72,113.2 91.72,108.17 92.13,107.76 C1034.2 ; v1(54.5,17.95) 54.5,17.46 ; 159.16,97.2 v1(160.05,97.2) 160.81,97.2 161.19,96.81 v1(161.82,96.81) ; 68.35,28.87 v1(68.35,27.47) v1(67.59,26.71) 64.16,23.28 64.16,22.34 63.96,22.14 v1(63.6,22.14) 63.01,22.73 63.01,49.33 63.17,50.23 J9900.4 ; v1(106.15,100.5) 106.15,100.66 v1(107.81,102.31) v1(112.53,107.03) v1(113.93,108.43) 113.93,108.44 v1(116.57,108.44) v1(119.51,108.44) v1(123.67,108.44) 124.75,109.51 126.52,109.51 127.27,108.76 127.27,108.44 135,108.44 ; v1(105.59,128.48) v1(105.59,126.1) v1(103.09,123.6) 101.24,121.75 v1(101.24,121.63) ; v1(75.97,80.83) 76.48,80.83 ; v1(114.53,129.09) 114.61,129.09 ; 114.61,129.09 114.71,129.09 v1(114.71,131.04) 114.71,134.87 v1(114.94,134.87) ; v1(30.14,60.26) 29.93,60.47 29.45,60.47 28.09,61.83 28.09,63.29 26.07,65.31 v1(24.54,65.31) ; 70.7,86.33 v1(69.11,86.33) v1(67.08,86.33) v1(65.05,86.33) v1(63.02,86.33) ; C6703.1 19.1,71.72 18.57,72.25 18.57,76.11 17.67,77 v1(15.65,77) v1(15.65,78.27) v1(15.65,79.54) v1(15.65,80.81) v1(15.65,82.08) v1(15.65,83.35) v1(15.65,84.62) v1(15.65,85.89) v1(15.65,87.16) v1(15.65,88.43) v1(15.65,89.7) ; C1101.2 80.86,84.83 v1(81.23,85.2) ; v1(105.18,55.51) v1(103.91,55.51) v1(102.64,55.51) v1(101.37,55.51) v1(98.83,55.51) v1(97.56,55.51) v1(96.29,55.51) v1(95.02,55.51) 93.01,55.51 v1(92.13,56.4) v1(91.23,57.3) v1(90.33,58.2) 90.32,58.2 89.75,58.77 ; v1(70.51,145.71) v1(72.03,145.71) v1(74.57,145.71) v1(76.61,145.71) v1(78.64,145.71) v1(80.67,145.71) v1(82.7,145.71) v1(84.73,145.71) v1(86.77,145.71) v1(88.8,145.71) v1(90.83,145.71) v1(92.86,145.71) v1(94.89,145.71) v1(96.93,145.71) v1(98.96,145.71) v1(100.99,145.71) 103.66,145.71 104.18,145.18 v1(104.21,145.18) 104.21,145.16 105.31,144.06 v1(105.31,143.68) 105.59,143.39 v1(105.59,141.36) v1(105.59,139.38) v1(105.59,138.34) v1(105.59,135.93) ; 131.6,102.05 v1(136.58,102.05) ; 131.6,102.05 131.6,101.39 133.5,99.48 141.63,99.48 v1(142.01,99.86) ; 137.82,148.38 v2(137.82,147.61) ; 65.35,140.17 64.91,139.73 v1(64.91,137.81) v1(64.91,135.42) v1(64.91,133.39) v1(64.91,131.1) v1(64.91,129.2) ; v1(75.84,29.69) v1(78.25,43.34) v1(79.83,52.25) v1(83.01,56.81) 84.74,56.81 v1(84.86,56.68) 84.86,58.71 85.75,59.6 85.75,64.94 v1(86.77,65.95) ; 59.33,122.15 61.54,124.35 v1(61.54,124.37) 61.56,124.37 63.14,125.96 63.14,125.98 63.26,126.1 63.26,128.55 63.65,128.95 ; 65.36,89.7 62.38,89.7 v1(61.18,90.91) 59.59,92.5 59.59,93.51 v1(59.72,93.64) 59.59,93.77 59.59,94.27 58.45,95.42 54.92,95.42 52.89,97.45 51.04,97.45 47.78,97.45 47.4,97.07 45.75,97.07 v1(45.49,97.32) v1(44.48,98.34) 39.65,103.16 37.49,103.16 35.46,105.2 ; v1(71.54,93.41) v1(73.56,93.41) 73.66,93.51 79.02,93.51 ; 70.89,85.38 v1(69.11,85.38) v1(67.08,85.38) v1(65.05,85.38) v1(63.02,85.38) ; 46.76,33.7 54.89,25.57 v1(54.89,25.19) v1(54.89,22.65) 54.89,21.63 ; v1(81.74,120.53) 81.69,120.48 v1(81.69,118.02) ; 133.5,149.33 127.03,149.33 126.71,149.65 v1(116.23,149.65) ; v1(86.46,96.69) 85.75,96.69 80.16,102.28 v1(79.65,102.28) 77.75,102.28 v1(77.37,102.66) ; 77.37,109.91 77.37,110.15 76.48,111.04 v1(76.48,120.06) 77.75,121.33 81.99,121.33 82.19,121.53 82.19,124.5 82.07,124.63 72.8,124.63 72.06,125.37 72.06,127.57 72.42,127.92 72.42,130.97 72.01,131.38 71.57,131.38 v1(71.12,131.83) 71.12,132.46 71.57,132.91 72.32,132.91 72.92,133.52 72.92,136.09 72.57,136.45 72.57,138.36 73.31,139.1 89.92,139.1 v1(90.32,138.7) 90.32,138.14 90.58,137.89 90.58,137.71 91.19,137.09 v1(91.19,135.93) ; 77.37,109.91 v1(77.37,103.93) ; Y1100.4 80.02,81.94 80.86,82.78 80.86,82.79 ; 68.35,89.45 69.27,89.45 69.27,89.45 v1(71.78,89.45) 72.1,89.76 ; v1(29.6,52.75) 29.62,52.75 29.62,51.09 v1(29.48,50.95) v1(28.47,49.95) 27.58,49.95 v1(27.33,49.7) 26.44,49.7 v1(25.93,49.19) ; v1(62.41,91) 62.38,90.97 v1(60.79,92.56) 60.86,92.62 60.86,94.4 58.83,96.43 56.03,96.43 ; v2(160.3,56.94) C4202.2 ; v1(117.81,95.42) v1(119.08,95.42) v1(120.35,95.42) v1(121.62,95.42) v1(122.89,95.42) v1(124.16,95.42) v1(125.43,95.42) v1(126.7,95.42) 129.69,95.42 130.84,94.27 v1(130.84,92.61) ; v1(63.53,94.73) 63.53,93.36 64.47,92.42 77.32,92.42 v1(77.37,92.37)
  TOP w0.483: v1(98.39,131.53) U4700.20 v1(98.39,128.48) ; v1(43.28,128.48) U4600.38 v1(43.28,131.53) ; v1(28.03,138.6) C4601.2 28.16,137.7 C4600.2 28.09,136.5 v1(28.09,135.93) 28.09,135.8 28.08,135.79 U4600.75 v1(28.08,132.63) ; v1(52.88,135.93) U4600.13 v1(52.88,132.88) ; v1(40.88,131.53) U4600.44 v1(40.88,128.48) ; v1(100.79,131.53) U4700.14 v1(100.79,128.48) ; v1(50.48,131.53) U4600.20 v1(50.48,128.48) ; v1(93.59,128.48) U4700.32 v1(93.59,131.53) ; v1(95.99,128.48) U4700.26 v1(95.99,131.53) ; v1(95.99,132.88) U4700.25 v1(95.99,135.93) ; v1(57.68,132.88) U4600.1 v1(57.68,135.93) ; v1(55.28,132.88) U4600.7 v1(55.28,135.93) ; v1(93.59,135.93) U4700.31 ; v1(98.39,135.93) U4700.19 v1(98.39,132.88) ; v1(57.68,128.48) U4600.2 v1(57.68,131.53) ; v1(27.28,128.48) U4600.78 v1(27.28,131.53) ; v1(45.68,135.93) U4600.31 v1(45.68,132.88) ; v1(40.88,132.88) U4600.43 v1(40.88,135.93) ; v1(88.79,131.53) U4700.44 v1(88.79,128.48) ; v1(43.08,135.93) 43.28,135.73 U4600.37 v1(43.28,132.88) ; v1(91.19,131.53) U4700.38 v1(91.19,128.48) v1(91.19,126.17) 91.19,125.88 v1(90.7,125.39) 90.07,124.75 89.05,124.75 v1(88.29,125.52) ; v1(103.19,132.88) U4700.7 v1(103.19,135.93) ; v1(100.79,135.93) U4700.13 v1(100.79,132.88) ; v1(45.68,128.18) U4600.32 v1(45.68,131.74) ; v1(88.79,132.88) U4700.43 v1(88.79,135.93) ; v1(75.19,128.36) U4700.78 v1(75.19,131.69) ; v1(48.08,131.53) U4600.26 v1(48.08,128.48) ; v1(50.48,132.88) U4600.19 v1(50.48,135.93) ; v1(55.28,131.53) U4600.8 v1(55.28,128.48) ; v1(75.99,128.36) U4700.76 v1(75.99,131.69) ; v1(28.08,131.53) U4600.76 v1(28.08,128.48) ; v1(52.88,131.53) U4600.14 v1(52.88,128.48) ; v1(75.94,138.6) C4700.2 76.07,137.7 C4701.2 76,136.49 76,135.81 v1(76,135.8) 75.99,135.79 U4700.75 v1(75.99,132.88) ; v1(103.19,131.53) U4700.8 v1(103.19,128.48) ; v1(48.08,132.88) U4600.25 v1(48.08,135.93) ; v1(91.19,132.88) U4700.37 v1(91.19,135.93) ; v1(105.59,131.53) U4700.2 v1(105.59,128.48) ; v1(105.59,132.88) U4700.1 v1(105.59,135.93)